# KiCad board PiEEG.kicad_pcb (continued)
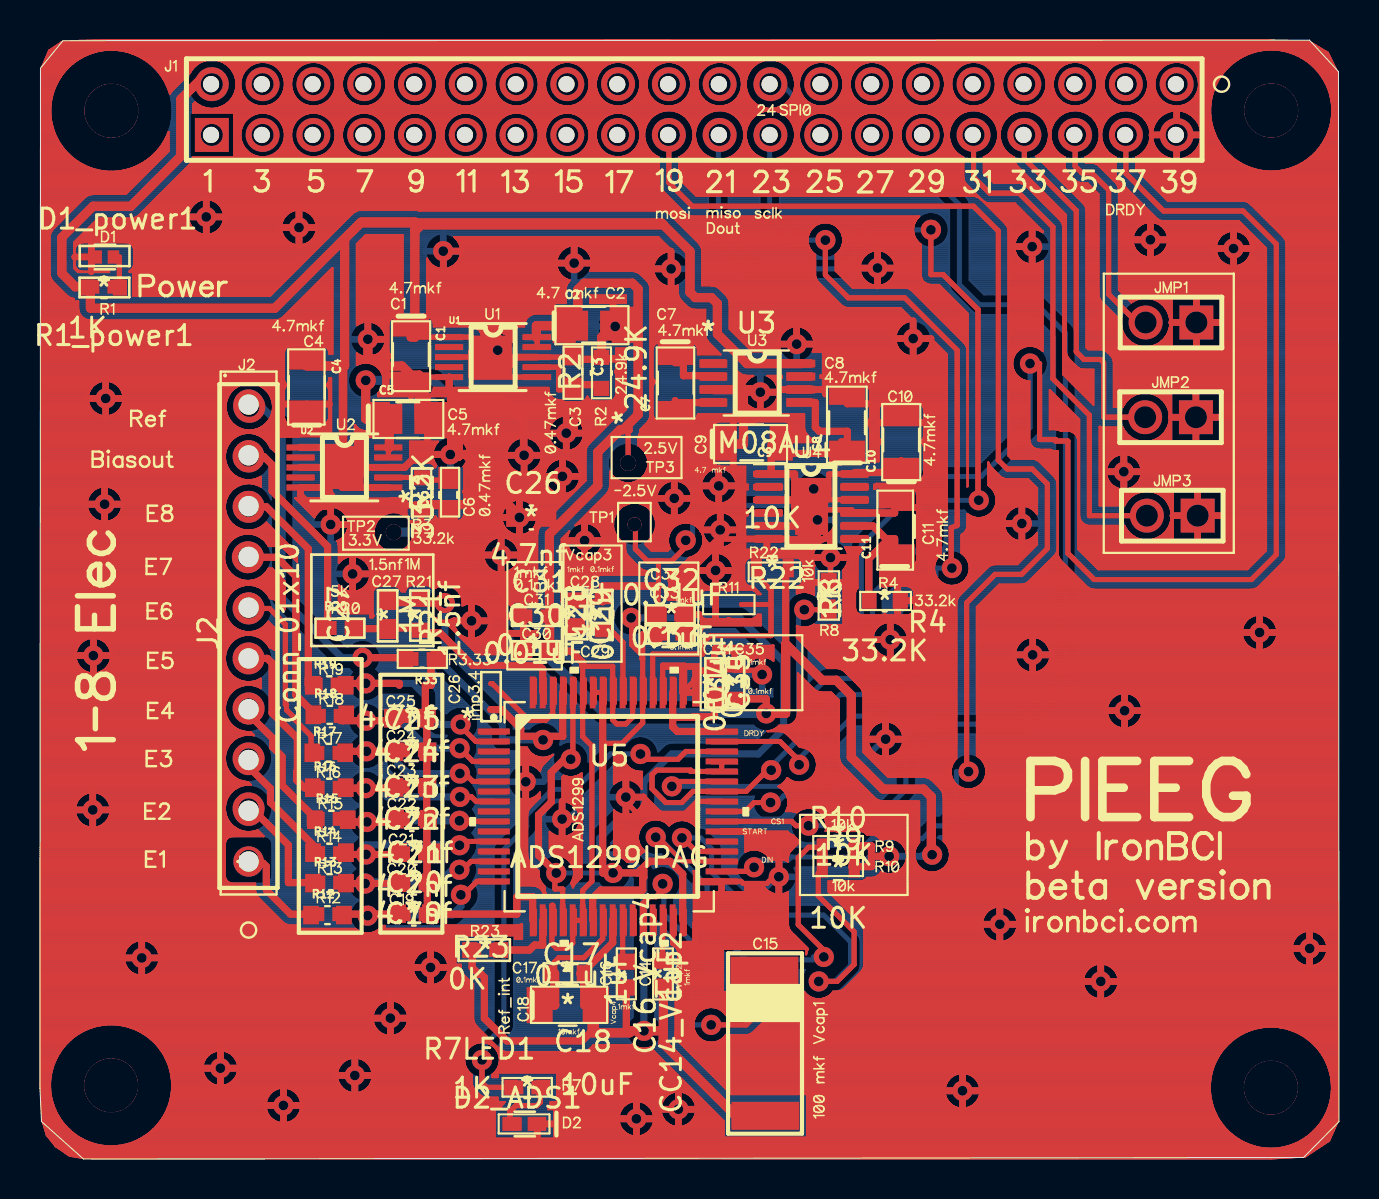
[diagram p0: board, top side]
## Routing (per net, layer and track width the routed paths; a pad name or vN(x,y) marks a point on that pad's centre or on a via; arc(x,y) is an arc through that point) (continued)
42.95,14.39 ; 42.99,14.42 43.03,14.45 ; 42.95,14.39 42.91,14.37 ; 42.95,14.39 42.91,14.37 ; 32.92,50.63 32.87,50.72 ; 32.92,50.63 32.87,50.72 ; 32.92,50.63 32.97,50.55 ; 32.92,50.63 32.97,50.55 ; 32.87,50.72 32.83,50.82 ; 32.87,50.72 32.83,50.82 ; 27.44,45.34 27.48,45.28 ; 27.44,45.34 27.4,45.4 ; 27.44,45.34 27.4,45.4 ; 27.44,45.34 27.48,45.28 ; 27.48,45.28 27.51,45.22 ; 27.48,45.28 27.51,45.22 ; 11.03,26.07 11.11,26.02 ; 11.03,26.07 11.11,26.02 ; 11.03,26.07 10.94,26.12 ; 11.03,26.07 10.94,26.12 ; 11.11,26.02 11.19,25.96 ; 11.11,26.02 11.19,25.96 ; 64.56,53.13 64.52,53.28 ; 64.56,53.13 64.52,53.28 ; 25.61,38.09 25.58,38.12 ; 25.61,38.09 25.64,38.07 ; 25.61,38.09 25.58,38.12 ; 25.61,38.09 25.64,38.07 ; 25.58,38.12 25.55,38.15 ; 25.58,38.12 25.55,38.15 ; 10.08,51.58 10.11,51.67 ; 10.08,51.58 10.11,51.67 ; 10.08,51.58 10.05,51.48 ; 10.08,51.58 10.05,51.48 ; 10.11,51.67 10.15,51.76 ; 10.11,51.67 10.15,51.76 ; 47.43,54.61 47.5,54.54 ; 47.43,54.61 47.35,54.67 ; 47.43,54.61 47.35,54.67 ; 47.43,54.61 47.5,54.54 ; 47.5,54.54 47.57,54.47 ; 47.5,54.54 47.57,54.47 ; 18.9,8.96 18.85,9.01 ; 18.9,8.96 18.85,9.01 ; 48.18,54.12 48.21,54.21 ; 48.18,54.12 48.21,54.21 ; 48.21,54.21 48.25,54.3 ; 48.21,54.21 48.25,54.3 ; 55.14,22.43 55.14,22.42 ; 55.14,22.43 55.14,22.49 ; 55.14,22.43 55.14,22.42 ; 55.14,22.43 55.14,22.49 ; 55.14,22.42 55.14,22.35 ; 55.14,22.42 55.14,22.35 ; 39.8,44.44 40.64,43.6 ; 39.8,44.44 40.64,43.6 ; 39.8,44.44 39.8,45.24 ; 39.8,44.44 39.8,45.24 ; 40.64,43.6 43.26,43.6 ; 40.64,43.6 43.26,43.6 ; 23.51,39.82 23.46,39.78 ; 23.51,39.82 23.46,39.78 ; 23.51,39.82 23.56,39.87 ; 23.51,39.82 23.56,39.87 ; 23.46,39.78 23.4,39.73 ; 23.46,39.78 23.4,39.73 ; 9.97,28.63 9.88,28.59 ; 9.97,28.63 9.88,28.59 ; 44.35,50.14 44.45,50.16 ; 44.35,50.14 44.45,50.16 ; 38.32,10.51 38.32,10.24 ; 38.32,10.51 34.15,10.51 ; 38.32,10.51 34.15,10.51 ; 38.32,10.51 38.32,10.24 ; 38.32,10.24 38.33,10.31 ; 38.32,10.24 38.33,10.31 ; 61.32,30.44 61.32,45.56 ; 61.32,30.44 61.32,45.56 ; 61.32,30.44 60.39,29.5 ; 61.32,30.44 60.39,29.5 ; 61.32,45.56 59.97,46.92 ; 61.32,45.56 59.97,46.92 ; 42.1,52.24 42.19,52.19 ; 42.1,52.24 42.01,52.28 ; 42.1,52.24 42.01,52.28 ; 42.1,52.24 42.19,52.19 ; 42.19,52.19 42.27,52.13 ; 42.19,52.19 42.27,52.13 ; 29.31,40.55 28.82,40.55 ; 29.31,40.55 28.82,40.55 ; 36.6,14.94 36.67,14.96 ; 36.6,14.94 36.55,14.91 ; 36.6,14.94 36.55,14.91 ; 36.6,14.94 36.67,14.96 ; 36.67,14.96 36.73,14.98 ; 36.67,14.96 36.73,14.98 ; 17.28,51.58 17.3,51.48 ; 17.28,51.58 17.3,51.48 ; 48.82,40.35 48.79,40.31 ; 48.82,40.35 48.79,40.31 ; 35.84,28.34 35.87,28.3 ; 35.84,28.34 35.87,28.3 ; 52.69,52.06 52.76,51.98 ; 52.69,52.06 52.62,52.13 ; 52.69,52.06 52.62,52.13 ; 52.69,52.06 52.76,51.98 ; 52.76,51.98 52.81,51.9 ; 52.76,51.98 52.81,51.9 ; 30.73,38.94 30.69,38.99 ; 30.73,38.94 30.69,38.99 ; 31.55,29.41 31.45,29.41 ; 31.55,29.41 31.45,29.41 ; 21.41,4.4 21.38,4.44 ; 21.41,4.4 21.38,4.44 ; 21.41,4.4 21.45,4.36 ; 21.41,4.4 21.45,4.36 ; 21.38,4.44 21.36,4.48 ; 21.38,4.44 21.36,4.48 ; 28.72,52.33 28.82,52.34 ; 28.72,52.33 28.62,52.31 ; 28.72,52.33 28.62,52.31 ; 28.72,52.33 28.82,52.34 ; 28.82,52.34 28.92,52.35 ; 28.82,52.34 28.92,52.35 ; 19.71,27.11 19.72,27.06 ; 19.71,27.11 19.72,27.06 ; 19.71,27.11 19.78,27.06 ; 19.71,27.11 19.78,27.06 ; 42.91,41.5 42.95,41.56 ; 42.91,41.5 42.88,41.44 ; 42.91,41.5 42.95,41.56 ; 42.91,41.5 42.88,41.44 ; 42.95,41.56 42.99,41.62 ; 42.95,41.56 42.99,41.62 ; 17.24,6.2 17.18,6.23 ; 17.24,6.2 17.31,6.18 ; 17.24,6.2 17.18,6.23 ; 17.24,6.2 17.31,6.18 ; 45.79,2.59 45.73,2.62 ; 45.79,2.59 45.86,2.57 ; 45.79,2.59 45.86,2.57 ; 45.79,2.59 45.73,2.62 ; 45.73,2.62 45.67,2.66 ; 45.73,2.62 45.67,2.66 ; 55.98,54.47 56.05,54.54 ; 55.98,54.47 55.93,54.39 ; 55.98,54.47 56.05,54.54 ; 55.98,54.47 55.93,54.39 ; 56.05,54.54 56.12,54.61 ; 56.05,54.54 56.12,54.61 ; 34.47,50.1 34.38,50.06 ; 34.47,50.1 34.38,50.06 ; 34.47,50.1 34.56,50.14 ; 34.47,50.1 34.56,50.14 ; 34.38,50.06 34.28,50.03 ; 34.38,50.06 34.28,50.03 ; 29.97,35.68 30.02,35.64 ; 29.97,35.68 29.93,35.7 ; 29.97,35.68 30.02,35.64 ; 29.97,35.68 29.93,35.7 ; 30.02,35.64 30.11,35.55 ; 30.02,35.64 30.11,35.55 ; 46.82,2.83 46.77,2.78 ; 46.82,2.83 46.86,2.88 ; 46.82,2.83 46.77,2.78 ; 46.82,2.83 46.86,2.88 ; 46.77,2.78 46.72,2.73 ; 46.77,2.78 46.72,2.73 ; 31.5,28.67 31.49,28.63 ; 31.5,28.67 31.49,28.63 ; 31.5,28.67 31.49,28.71 ; 31.5,28.67 31.49,28.71 ; 31.49,28.63 31.49,28.58 ; 31.49,28.63 31.49,28.58 ; 52.19,47.81 52.22,47.78 ; 52.19,47.81 49.84,50.16 ; 52.19,47.81 52.22,47.78 ; 52.19,47.81 49.84,50.16 ; 20.27,50.8 20.24,50.89 ; 20.27,50.8 20.24,50.89 ; 20.27,50.8 20.31,50.71 ; 20.27,50.8 20.31,50.71 ; 33.78,50.02 33.69,50.04 ; 33.78,50.02 33.69,50.04 ; 23.78,38.58 23.78,38.61 ; 23.78,38.58 23.78,38.61 ; 28.12,30.8 28.11,30.73 ; 28.12,30.8 28.11,30.73 ; 28.12,30.8 28.13,30.87 ; 28.12,30.8 28.13,30.87 ; 41.08,13.9 40.95,13.89 ; 41.08,13.9 41.14,13.9 ; 41.08,13.9 41.14,13.9 ; 41.08,13.9 40.95,13.89 ; 40.95,13.89 40.12,13.9 ; 40.95,13.89 40.12,13.9 ; 49.17,52.47 49.27,52.47 ; 49.17,52.47 49.07,52.46 ; 49.17,52.47 49.07,52.46 ; 49.17,52.47 49.27,52.47 ; 49.27,52.47 49.37,52.46 ; 49.27,52.47 49.37,52.46 ; 3.57,38.89 3.63,38.87 ; 3.57,38.89 3.63,38.87 ; 3.63,38.87 3.7,38.84 ; 3.63,38.87 3.7,38.84 ; 15.94,36.53 15.9,36.56 ; 15.94,36.53 15.9,36.56 ; 15.94,36.53 15.98,36.51 ; 15.94,36.53 15.98,36.51 ; 15.9,36.56 15.86,36.59 ; 15.9,36.56 15.86,36.59 ; 12.22,53.53 12.24,53.62 ; 12.22,53.53 12.24,53.62 ; 9.17,5.43 9.24,5.41 ; 9.17,5.43 9.1,5.43 ; 9.17,5.43 9.1,5.43 ; 9.17,5.43 9.24,5.41 ; 9.24,5.41 9.3,5.39 ; 9.24,5.41 9.3,5.39 ; 41.64,25.99 41.64,26.06 ; 41.64,25.99 41.64,26.06 ; 41.64,25.99 41.64,25.92 ; 41.64,25.99 41.64,25.92 ; 41.64,26.06 41.65,26.13 ; 41.64,26.06 41.65,26.13 ; 34.27,25.29 34.31,25.3 ; 34.27,25.29 34.24,25.27 ; 34.27,25.29 34.24,25.27 ; 34.27,25.29 34.31,25.3 ; 34.31,25.3 34.35,25.31 ; 34.31,25.3 34.35,25.31 ; 18.16,7.67 18.21,7.62 ; 18.16,7.67 18.21,7.62 ; 18.21,7.62 18.25,7.57 ; 18.21,7.62 18.25,7.57 ; 30.07,16.62 30.1,16.66 ; 30.07,16.62 30.1,16.66 ; 4.65,45.68 4.67,45.63 ; 4.65,45.68 4.67,45.63 ; 4.65,45.68 4.61,45.73 ; 4.65,45.68 4.61,45.73 ; 59.13,46.24 59.18,46.28 ; 59.13,46.24 59.18,46.28 ; 59.13,46.24 59.07,46.19 ; 59.13,46.24 59.07,46.19 ; 59.18,46.28 59.24,46.32 ; 59.18,46.28 59.24,46.32 ; 62.22,29.9 62.16,29.83 ; 62.22,29.9 62.16,29.83 ; 37.92,31.14 37.88,31.13 ; 37.92,31.14 37.96,31.15 ; 37.92,31.14 37.88,31.13 ; 37.92,31.14 37.96,31.15 ; 37.88,31.13 37.83,31.12 ; 37.88,31.13 37.83,31.12 ; 34.89,31.68 34.91,31.61 ; 34.89,31.68 34.87,31.74 ; 34.89,31.68 34.87,31.74 ; 34.89,31.68 34.91,31.61 ; 34.91,31.61 34.91,31.54 ; 34.91,31.61 34.91,31.54 ; 29,18.94 29.06,18.96 ; 29,18.94 28.93,18.92 ; 29,18.94 29.06,18.96 ; 29,18.94 28.93,18.92 ; 62.63,10.68 62.64,10.75 ; 62.63,10.68 62.64,10.75 ; 62.63,10.68 62.62,10.61 ; 62.63,10.68 62.62,10.61 ; 62.64,10.75 62.66,10.82 ; 62.64,10.75 62.66,10.82 ; 17.18,41.45 17.21,41.39 ; 17.18,41.45 17.14,41.51 ; 17.18,41.45 17.21,41.39 ; 17.18,41.45 17.14,41.51 ; 17.21,41.39 17.24,41.32 ; 17.21,41.39 17.24,41.32 ; 26.72,45.71 26.79,45.71 ; 26.72,45.71 26.65,45.71 ; 26.72,45.71 26.79,45.71 ; 26.72,45.71 26.65,45.71 ; 26.79,45.71 26.86,45.7 ; 26.79,45.71 26.86,45.7 ; 20.71,26.78 20.7,26.85 ; 20.71,26.78 20.7,26.85 ; 20.7,26.85 20.69,26.92 ; 20.7,26.85 20.69,26.92 ; 23.78,38.61 21.56,38.61 ; 23.78,38.61 21.56,38.61 ; 5.83,50.39 5.73,50.28 ; 5.83,50.39 5.93,50.51 ; 5.83,50.39 5.93,50.51 ; 5.83,50.39 5.73,50.28 ; 5.73,50.28 5.62,50.18 ; 5.73,50.28 5.62,50.18 ; 26.31,43.64 26.32,43.69 ; 26.31,43.64 26.32,43.69 ; 26.31,43.64 26.3,43.59 ; 26.31,43.64 26.3,43.59 ; 26.32,43.69 26.34,43.73 ; 26.32,43.69 26.34,43.73 ; 22.81,50.8 22.78,50.89 ; 22.81,50.8 22.85,50.71 ; 22.81,50.8 22.78,50.89 ; 22.81,50.8 22.85,50.71 ; 22.78,50.89 22.75,50.99 ; 22.78,50.89 22.75,50.99 ; 33.51,32.2 33.56,32.24 ; 33.51,32.2 33.56,32.24 ; 40.77,27.55 40.77,27.68 ; 40.77,27.55 40.78,27.49 ; 40.77,27.55 40.78,27.49 ; 40.77,27.55 40.77,27.68 ; 48.22,31.79 48.22,31.72 ; 48.22,31.79 48.22,31.72 ; 42.38,14.26 42.33,14.27 ; 42.38,14.26 42.33,14.27 ; 39.01,31.09 38.94,31.09 ; 39.01,31.09 39.08,31.1 ; 39.01,31.09 39.08,31.1 ; 39.01,31.09 38.94,31.09 ; 38.94,31.09 38.87,31.08 ; 38.94,31.09 38.87,31.08 ; 38.79,20.07 38.81,20.02 ; 38.79,20.07 38.77,20.12 ; 38.79,20.07 38.81,20.02 ; 38.79,20.07 38.77,20.12 ; 38.81,20.02 38.83,19.98 ; 38.81,20.02 38.83,19.98 ; 3.47,6.74 3.62,6.74 ; 3.47,6.74 3.32,6.73 ; 3.47,6.74 3.32,6.73 ; 3.47,6.74 3.62,6.74 ; 3.62,6.74 3.77,6.73 ; 3.62,6.74 3.77,6.73 ; 39.28,46.86 39.23,46.86 ; 39.28,46.86 39.23,46.86 ; 23.63,34.54 23.68,34.49 ; 23.63,34.54 23.68,34.49 ; 27.32,35.56 27.33,35.6 ; 27.32,35.56 27.31,35.51 ; 27.32,35.56 27.33,35.6 ; 27.32,35.56 27.31,35.51 ; 27.33,35.6 27.35,35.65 ; 27.33,35.6 27.35,35.65 ; 42.86,25.15 42.8,25.13 ; 42.86,25.15 42.92,25.18 ; 42.86,25.15 42.92,25.18 ; 42.86,25.15 42.8,25.13 ; 42.8,25.13 42.73,25.11 ; 42.8,25.13 42.73,25.11 ; 23.78,40.61 23.78,40.56 ; 23.78,40.61 23.76,40.68 ; 23.78,40.61 23.78,40.56 ; 23.78,40.61 23.76,40.68 ; 23.78,40.56 23.78,41.65 ; 23.78,40.56 23.78,41.65 ; 44.08,33.99 44.03,33.96 ; 44.08,33.99 44.12,34.03 ; 44.08,33.99 44.12,34.03 ; 44.08,33.99 44.03,33.96 ; 11.71,28 11.75,27.98 ; 11.71,28 11.75,27.98 ; 38.12,18.85 38.07,18.84 ; 38.12,18.85 38.17,18.86 ; 38.12,18.85 38.17,18.86 ; 38.12,18.85 38.07,18.84 ; 38.07,18.84 38.02,18.83 ; 38.07,18.84 38.02,18.83 ; 17.17,30.5 17.12,30.53 ; 17.17,30.5 17.12,30.53 ; 17.17,30.5 17.43,30.4 ; 17.17,30.5 17.43,30.4 ; 17.12,30.53 17.08,30.57 ; 17.12,30.53 17.08,30.57 ; 3.02,6.69 3.17,6.72 ; 3.02,6.69 3.17,6.72 ; 3.02,6.69 2.87,6.66 ; 3.02,6.69 2.87,6.66 ; 3.17,6.72 3.32,6.73 ; 3.17,6.72 3.32,6.73 ; 62.27,49.48 62.13,49.45 ; 62.27,49.48 62.42,49.52 ; 62.27,49.48 62.13,49.45 ; 62.27,49.48 62.42,49.52 ; 10.25,18.88 10.34,18.86 ; 10.25,18.88 10.34,18.86 ; 47.62,32.36 47.59,32.33 ; 47.62,32.36 47.59,32.33 ; 47.62,32.36 47.65,32.4 ; 47.62,32.36 47.65,32.4 ; 47.59,32.33 47.55,32.29 ; 47.59,32.33 47.55,32.29 ; 22.26,5.84 22.3,5.83 ; 22.26,5.84 22.3,5.83 ; 43.04,41.67 43.09,41.72 ; 43.04,41.67 42.99,41.62 ; 43.04,41.67 43.09,41.72 ; 43.04,41.67 42.99,41.62 ; 22.36,54.12 22.38,54.02 ; 22.36,54.12 22.38,54.02 ; 22.36,54.12 22.32,54.21 ; 22.36,54.12 22.32,54.21 ; 22.38,54.02 22.4,53.92 ; 22.38,54.02 22.4,53.92 ; 40.96,52.14 41.04,52.19 ; 40.96,52.14 40.88,52.07 ; 40.96,52.14 41.04,52.19 ; 40.96,52.14 40.88,52.07 ; 41.04,52.19 41.13,52.24 ; 41.04,52.19 41.13,52.24 ; 25.75,38.01 25.78,38 ; 25.75,38.01 25.78,38 ; 33.52,30.3 33.59,30.32 ; 33.52,30.3 33.46,30.27 ; 33.52,30.3 33.46,30.27 ; 33.52,30.3 33.59,30.32 ; 33.59,30.32 33.66,30.33 ; 33.59,30.32 33.66,30.33 ; 60.05,6.22 59.92,6.14 ; 60.05,6.22 59.92,6.14 ; 42.88,21.68 42.93,21.63 ; 42.88,21.68 42.83,21.72 ; 42.88,21.68 42.93,21.63 ; 42.88,21.68 42.83,21.72 ; 42.93,21.63 42.98,21.58 ; 42.93,21.63 42.98,21.58 ; 31.89,9.29 31.9,9.35 ; 31.89,9.29 31.9,9.35 ; 34.43,28.43 34.44,28.42 ; 34.43,28.43 34.44,28.42 ; 27.3,35.46 27.31,35.51 ; 27.3,35.46 27.29,35.42 ; 27.3,35.46 27.29,35.42 ; 27.3,35.46 27.31,35.51 ; 34.58,33.04 34.52,32.99 ; 34.58,33.04 34.62,33.09 ; 34.58,33.04 34.62,33.09 ; 34.58,33.04 34.52,32.99 ; 34.52,32.99 34.47,32.95 ; 34.52,32.99 34.47,32.95 ; 4.52,44.45 4.48,44.43 ; 4.52,44.45 4.48,44.43 ; 4.48,44.43 4.48,44.37 ; 4.48,44.43 4.48,44.37 ; 23.61,39.93 23.56,39.87 ; 23.61,39.93 23.56,39.87 ; 7.52,46.73 7.49,46.8 ; 7.52,46.73 7.49,46.8 ; 7.49,46.8 7.47,46.86 ; 7.49,46.8 7.47,46.86 ; 21.59,52.31 21.69,52.28 ; 21.59,52.31 21.69,52.28 ; 3.33,44.41 3.27,44.42 ; 3.33,44.41 3.27,44.42 ; 3.27,44.42 3.22,44.45 ; 3.27,44.42 3.22,44.45 ; 32.52,3.17 32.57,3.12 ; 32.52,3.17 32.57,3.12 ; 32.52,3.17 32.46,3.21 ; 32.52,3.17 32.46,3.21 ; 32.57,3.12 32.62,3.07 ; 32.57,3.12 32.62,3.07 ; 22.12,27.64 22.06,27.68 ; 22.12,27.64 22.06,27.68 ; 50.51,38.47 51.98,37 ; 50.51,38.47 51.98,37 ; 8.94,46.49 8.89,46.45 ; 8.94,46.49 8.99,46.55 ; 8.94,46.49 8.99,46.55 ; 8.94,46.49 8.89,46.45 ; 8.89,46.45 8.83,46.4 ; 8.89,46.45 8.83,46.4 ; 45.62,19.72 45.64,19.77 ; 45.62,19.72 45.64,19.77 ; 2.58,18.35 2.65,18.36 ; 2.58,18.35 2.65,18.36 ; 11.5,28.05 11.56,28.05 ; 11.5,28.05 11.56,28.05 ; 11.56,28.05 11.6,28.04 ; 11.56,28.05 11.6,28.04 ; 48.18,53.43 48.15,53.53 ; 48.18,53.43 48.21,53.34 ; 48.18,53.43 48.21,53.34 ; 48.18,53.43 48.15,53.53 ; 48.15,53.53 48.13,53.62 ; 48.15,53.53 48.13,53.62 ; 26.36,31.08 26.37,31.15 ; 26.36,31.08 26.35,31.01 ; 26.36,31.08 26.37,31.15 ; 26.36,31.08 26.35,31.01 ; 26.37,31.15 26.39,31.21 ; 26.37,31.15 26.39,31.21 ; 46.66,32.12 46.62,32.13 ; 46.66,32.12 46.62,32.13 ; 46.62,32.13 46.57,32.15 ; 46.62,32.13 46.57,32.15 ; 27.21,36.24 27.2,36.17 ; 27.21,36.24 27.22,36.31 ; 27.21,36.24 27.22,36.31 ; 27.21,36.24 27.2,36.17 ; 27.2,36.17 27.19,36.1 ; 27.2,36.17 27.19,36.1 ; 24.13,34.32 24.07,34.33 ; 24.13,34.32 24.2,34.32 ; 24.13,34.32 24.07,34.33 ; 24.13,34.32 24.2,34.32 ; 24.07,34.33 24,34.34 ; 24.07,34.33 24,34.34 ; 21.21,34.61 21.22,34.55 ; 21.21,34.61 21.22,34.55 ; 21.21,34.61 21.19,34.65 ; 21.21,34.61 21.19,34.65 ; 21.22,34.55 21.22,34.49 ; 21.22,34.55 21.22,34.49 ; 37.69,53.33 37.65,53.24 ; 37.69,53.33 37.72,53.43 ; 37.69,53.33 37.72,53.43 ; 37.69,53.33 37.65,53.24 ; 12.21,30.53 12.27,30.47 ; 12.21,30.53 12.17,30.56 ; 12.21,30.53 12.27,30.47 ; 12.21,30.53 12.17,30.56 ; 44.98,28.93 44.95,28.97 ; 44.98,28.93 44.95,28.97 ; 2.66,24.29 2.59,24.3 ; 2.66,24.29 2.59,24.3 ; 2.66,24.29 2.73,24.3 ; 2.66,24.29 2.73,24.3 ; 2.59,24.3 2.52,24.31 ; 2.59,24.3 2.52,24.31 ; 29.34,19.71 29.31,19.75 ; 29.34,19.71 29.37,19.67 ; 29.34,19.71 29.37,19.67 ; 29.34,19.71 29.31,19.75 ; 29.31,19.75 29.28,19.79 ; 29.31,19.75 29.28,19.79 ; 10.49,26.36 10.39,26.36 ; 10.49,26.36 10.59,26.37 ; 10.49,26.36 10.39,26.36 ; 10.49,26.36 10.59,26.37 ; 10.39,26.36 10.29,26.37 ; 10.39,26.36 10.29,26.37 ; 10.49,16.36 10.39,16.36 ; 10.49,16.36 10.59,16.37 ; 10.49,16.36 10.39,16.36 ; 10.49,16.36 10.59,16.37 ; 10.39,16.36 10.29,16.37 ; 10.39,16.36 10.29,16.37 ; 16.59,39.8 16.63,39.78 ; 16.59,39.8 16.63,39.78 ; 13.28,52.73 13.19,52.77 ; 13.28,52.73 13.19,52.77 ; 13.28,52.73 13.38,52.7 ; 13.28,52.73 13.38,52.7 ; 13.19,52.77 13.1,52.82 ; 13.19,52.77 13.1,52.82 ; 51.03,46.98 51.05,46.96 ; 51.03,46.98 49.36,48.65 ; 51.03,46.98 49.36,48.65 ; 51.03,46.98 51.05,46.96 ; 51.05,46.96 51.08,46.92 ; 51.05,46.96 51.08,46.92 ; 25.5,50.54 25.45,50.62 ; 25.5,50.54 25.57,50.46 ; 25.5,50.54 25.57,50.46 ; 25.5,50.54 25.45,50.62 ; 25.45,50.62 25.39,50.71 ; 25.45,50.62 25.39,50.71 ; 24.82,18.15 24.76,18.11 ; 24.82,18.15 24.87,18.19 ; 24.82,18.15 24.87,18.19 ; 24.82,18.15 24.76,18.11 ; 24.76,18.11 24.7,18.07 ; 24.76,18.11 24.7,18.07 ; 24.6,31.46 24.55,31.42 ; 24.6,31.46 24.65,31.51 ; 24.6,31.46 24.55,31.42 ; 24.6,31.46 24.65,31.51 ; 24.55,31.42 24.5,31.37 ; 24.55,31.42 24.5,31.37 ; 2.39,33.04 2.37,32.98 ; 2.39,33.04 2.37,32.98 ; 30.4,1.33 30.35,1.29 ; 30.4,1.33 30.35,1.29 ; 45.69,18.91 45.66,18.95 ; 45.69,18.91 45.72,18.87 ; 45.69,18.91 45.72,18.87 ; 45.69,18.91 45.66,18.95 ; 45.66,18.95 45.64,18.99 ; 45.66,18.95 45.64,18.99 ; 36.99,37.26 36.99,39.08 ; 36.99,37.26 36.99,39.08 ; 22.96,53.08 22.91,53.16 ; 22.96,53.08 23.03,53 ; 22.96,53.08 22.91,53.16 ; 22.96,53.08 23.03,53 ; 22.91,53.16 22.85,53.25 ; 22.91,53.16 22.85,53.25 ; 47.65,33.52 47.68,33.48 ; 47.65,33.52 47.68,33.48 ; 16.8,6.53 16.84,6.48 ; 16.8,6.53 16.84,6.48 ; 52.93,50.79 52.89,50.7 ; 52.93,50.79 52.89,50.7 ; 52.93,50.79 52.96,50.89 ; 52.93,50.79 52.96,50.89 ; 52.89,50.7 52.84,50.61 ; 52.89,50.7 52.84,50.61 ; 30.94,50.11 30.87,50.15 ; 30.94,50.11 30.94,48.89 ; 30.94,50.11 30.94,48.89 ; 30.94,50.11 30.87,50.15 ; 30.87,50.15 30.78,50.2 ; 30.87,50.15 30.78,50.2 ; 22.06,5.85 22.11,5.85 ; 22.06,5.85 22.11,5.85 ; 11.22,29.25 11.15,29.19 ; 11.22,29.25 11.29,29.33 ; 11.22,29.25 11.15,29.19 ; 11.22,29.25 11.29,29.33 ; 11.15,29.19 11.07,29.13 ; 11.15,29.19 11.07,29.13 ; 56.26,45.46 56.21,45.4 ; 56.26,45.46 56.3,45.51 ; 56.26,45.46 56.3,45.51 ; 56.26,45.46 56.21,45.4 ; 56.21,45.4 56.17,45.35 ; 56.21,45.4 56.17,45.35 ; 59.81,54.94 59.94,55.03 ; 59.81,54.94 59.94,55.03 ; 59.81,54.94 59.69,54.85 ; 59.81,54.94 59.69,54.85 ; 59.94,55.03 60.07,55.1 ; 59.94,55.03 60.07,55.1 ; 55.9,47.01 55.87,47.04 ; 55.9,47.01 55.93,46.99 ; 55.9,47.01 55.93,46.99 ; 55.9,47.01 55.87,47.04 ; 55.87,47.04 55.8,47.1 ; 55.87,47.04 55.8,47.1 ; 47.54,34.63 47.52,34.67 ; 47.54,34.63 47.52,34.67 ; 47.52,34.67 47.5,34.7 ; 47.52,34.67 47.5,34.7 ; 23.84,50.12 23.74,50.12 ; 23.84,50.12 23.94,50.12 ; 23.84,50.12 23.74,50.12 ; 23.84,50.12 23.94,50.12 ; 23.74,50.12 23.64,50.14 ; 23.74,50.12 23.64,50.14 ; 54.83,50.11 54.83,49.52 ; 54.83,50.11 54.83,49.52 ; 54.83,50.11 54.84,50.12 ; 54.83,50.11 54.84,50.12 ; 54.83,49.52 56.41,47.94 ; 54.83,49.52 56.41,47.94 ; 9.25,20.07 9.25,19.97 ; 9.25,20.07 9.25,19.97 ; 41.19,20.35 42.42,19.12 ; 41.19,20.35 42.42,19.12 ; 41.19,20.35 41.19,23.15 ; 41.19,20.35 41.19,23.15 ; 1.76,54.9 1.88,54.99 ; 1.76,54.9 1.88,54.99 ; 1.76,54.9 1.64,54.81 ; 1.76,54.9 1.64,54.81 ; 1.88,54.99 2.01,55.07 ; 1.88,54.99 2.01,55.07 ; 32.91,29.31 32.9,29.38 ; 32.91,29.31 32.9,29.38 ; 15.23,51.76 15.29,51.85 ; 15.23,51.76 15.19,51.67 ; 15.23,51.76 15.29,51.85 ; 15.23,51.76 15.19,51.67 ; 26.71,14.41 26.71,14.36 ; 26.71,14.41 26.7,14.46 ; 26.71,14.41 26.71,14.36 ; 26.71,14.41 26.7,14.46 ; 26.71,14.36 26.72,14.31 ; 26.71,14.36 26.72,14.31 ; 40.19,26.72 38.72,26.72 ; 40.19,26.72 40.19,29.48 ; 40.19,26.72 38.72,26.72 ; 40.19,26.72 40.19,29.48 ; 38.72,26.72 38.72,26.74 ; 38.72,26.72 38.72,26.74 ; 38.15,50.62 38.09,50.71 ; 38.15,50.62 38.2,50.54 ; 38.15,50.62 38.2,50.54 ; 38.15,50.62 38.09,50.71 ; 38.09,50.71 38.05,50.8 ; 38.09,50.71 38.05,50.8 ; 12.12,51.76 12.16,51.67 ; 12.12,51.76 12.16,51.67 ; 24.66,32.67 24.61,32.73 ; 24.66,32.67 24.61,32.73 ; 44.91,30.12 44.95,30.16 ; 44.91,30.12 44.88,30.08 ; 44.91,30.12 44.88,30.08 ; 44.91,30.12 44.95,30.16 ; 44.95,30.16 44.98,30.19 ; 44.95,30.16 44.98,30.19 ; 9.36,34.64 9.32,34.73 ; 9.36,34.64 9.32,34.73 ; 50.28,24.59 50.23,24.54 ; 50.28,24.59 50.23,24.54 ; 50.28,24.59 50.32,24.64 ; 50.28,24.59 50.32,24.64 ; 50.23,24.54 50.17,24.5 ; 50.23,24.54 50.17,24.5 ; 42.8,40.89 42.79,40.96 ; 42.8,40.89 42.81,40.83 ; 42.8,40.89 42.79,40.96 ; 42.8,40.89 42.81,40.83 ; 42.79,40.96 42.78,41.03 ; 42.79,40.96 42.78,41.03 ; 44.81,50.33 44.73,50.28 ; 44.81,50.33 44.73,50.28 ; 12.56,51.28 12.57,51.38 ; 12.56,51.28 12.57,51.38 ; 12.56,51.28 12.56,51.18 ; 12.56,51.28 12.56,51.18 ; 12.57,51.38 12.59,51.48 ; 12.57,51.38 12.59,51.48 ; 32.69,14.41 32.7,14.35 ; 32.69,14.41 32.7,14.35 ; 32.69,14.41 32.91,14.41 ; 32.69,14.41 32.91,14.41 ; 32.7,14.35 32.71,14.3 ; 32.7,14.35 32.71,14.3 ; 16.85,7.63 16.9,7.68 ; 16.85,7.63 16.9,7.68 ; 48.83,11.39 48.8,11.33 ; 48.83,11.39 48.85,11.46 ; 48.83,11.39 48.85,11.46 ; 48.83,11.39 48.8,11.33 ; 48.8,11.33 48.76,11.27 ; 48.8,11.33 48.76,11.27 ; 55.16,52.13 55.23,52.06 ; 55.16,52.13 55.23,52.06 ; 55.23,52.06 55.3,51.98 ; 55.23,52.06 55.3,51.98 ; 50.12,25.98 50.18,25.94 ; 50.12,25.98 50.06,26.02 ; 50.12,25.98 50.06,26.02 ; 50.12,25.98 50.18,25.94 ; 50.18,25.94 50.24,25.9 ; 50.18,25.94 50.24,25.9 ; 40.16,51.48 40.18,51.38 ; 40.16,51.48 40.18,51.38 ; 40.16,51.48 40.14,51.58 ; 40.16,51.48 40.14,51.58 ; 40.18,51.38 40.19,51.28 ; 40.18,51.38 40.19,51.28 ; 43.21,26.56 43.25,26.5 ; 43.21,26.56 43.16,26.61 ; 43.21,26.56 43.25,26.5 ; 43.21,26.56 43.16,26.61 ; 43.25,26.5 43.29,26.44 ; 43.25,26.5 43.29,26.44 ; 46.37,40.59 46.38,40.55 ; 46.37,40.59 46.38,40.55 ; 46.37,40.59 46.36,40.62 ; 46.37,40.59 46.36,40.62 ; 46.38,40.55 46.39,40.51 ; 46.38,40.55 46.39,40.51 ; 38,31.17 37.96,31.15 ; 38,31.17 37.96,31.15 ; 38,31.17 38.04,31.19 ; 38,31.17 38.04,31.19 ; 17.64,51.28 17.64,51.18 ; 17.64,51.28 17.64,51.18 ; 34.56,28.47 34.61,28.48 ; 34.56,28.47 34.5,28.45 ; 34.56,28.47 34.61,28.48 ; 34.56,28.47 34.5,28.45 ; 23.92,30.49 23.94,30.42 ; 23.92,30.49 23.89,30.56 ; 23.92,30.49 23.89,30.56 ; 23.92,30.49 23.94,30.42 ; 23.94,30.42 23.95,30.35 ; 23.94,30.42 23.95,30.35 ; 25.98,33.27 25.92,33.29 ; 25.98,33.27 25.92,33.29 ; 35.19,51.53 35.21,51.44 ; 35.19,51.53 35.21,51.44 ; 45.62,4.14 45.68,4.18 ; 45.62,4.14 45.57,4.1 ; 45.62,4.14 45.57,4.1 ; 45.62,4.14 45.68,4.18 ; 45.68,4.18 